# Altium PCB Copy of PCB.PcbDoc (part 1 of 2)
Units mil, origin at the board's own origin, x right, y up, seen from the top; angles counter-clockwise.
Board outline 6000 x 4000 mil, 4 copper layers (Top Layer, Power, GND, Bottom Layer), stack 23.756 mil thick; 200 components, 157 nets, 775 pads, 9 vias.
Unrouted connection lines stored in the file: 537.
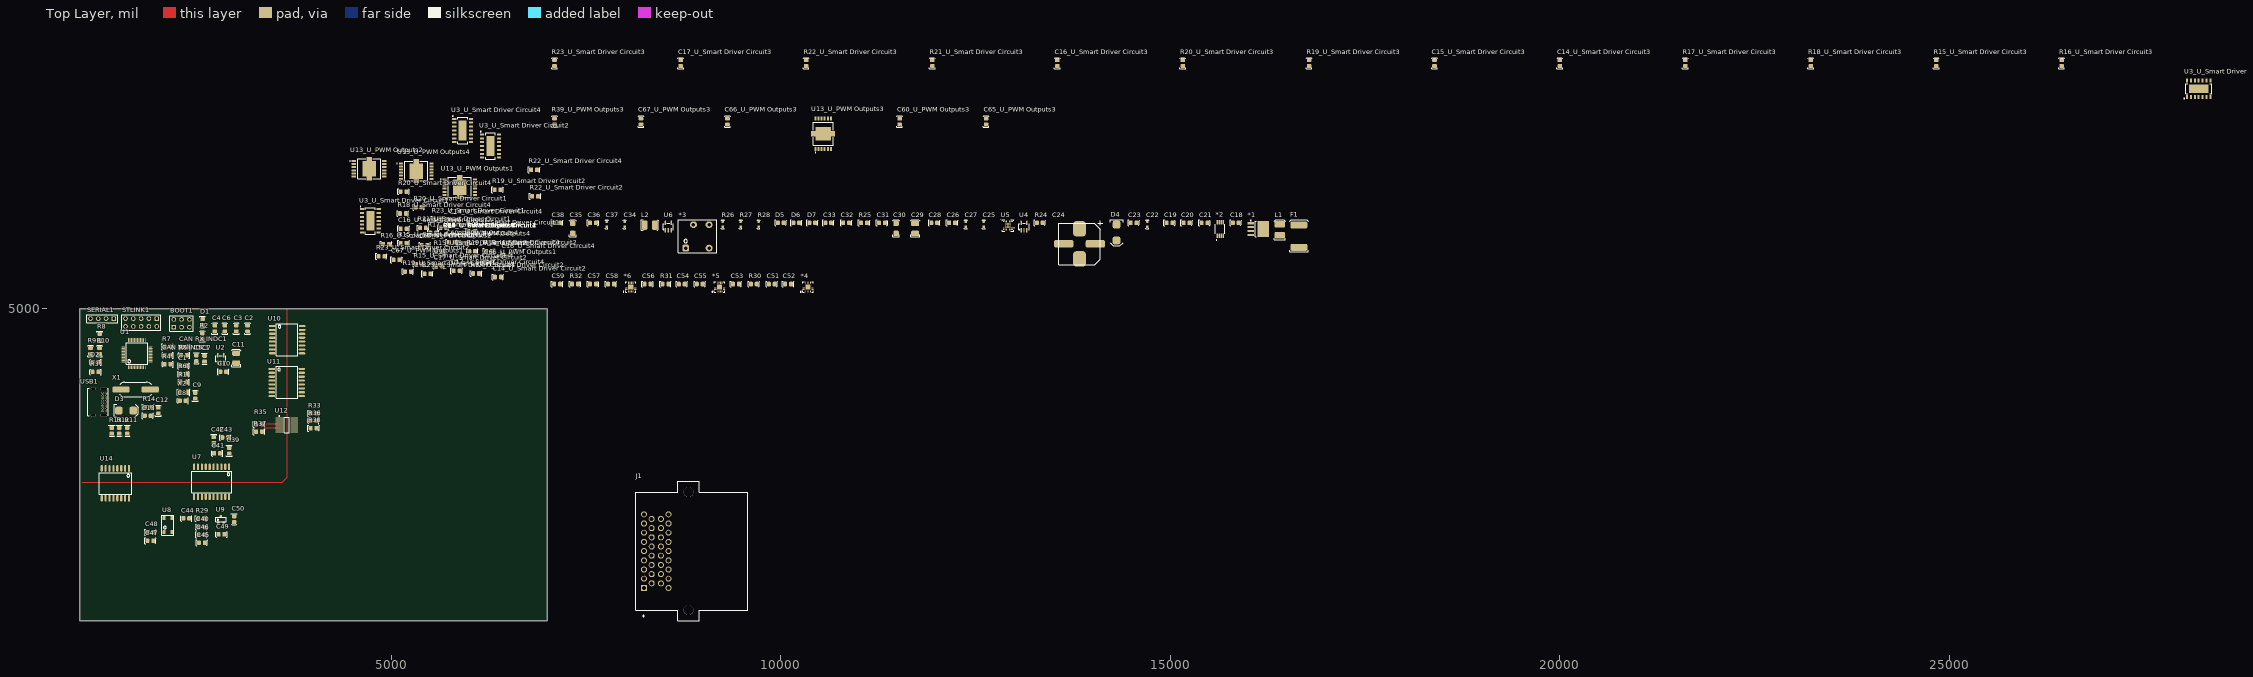
[diagram p0: Top Layer view]
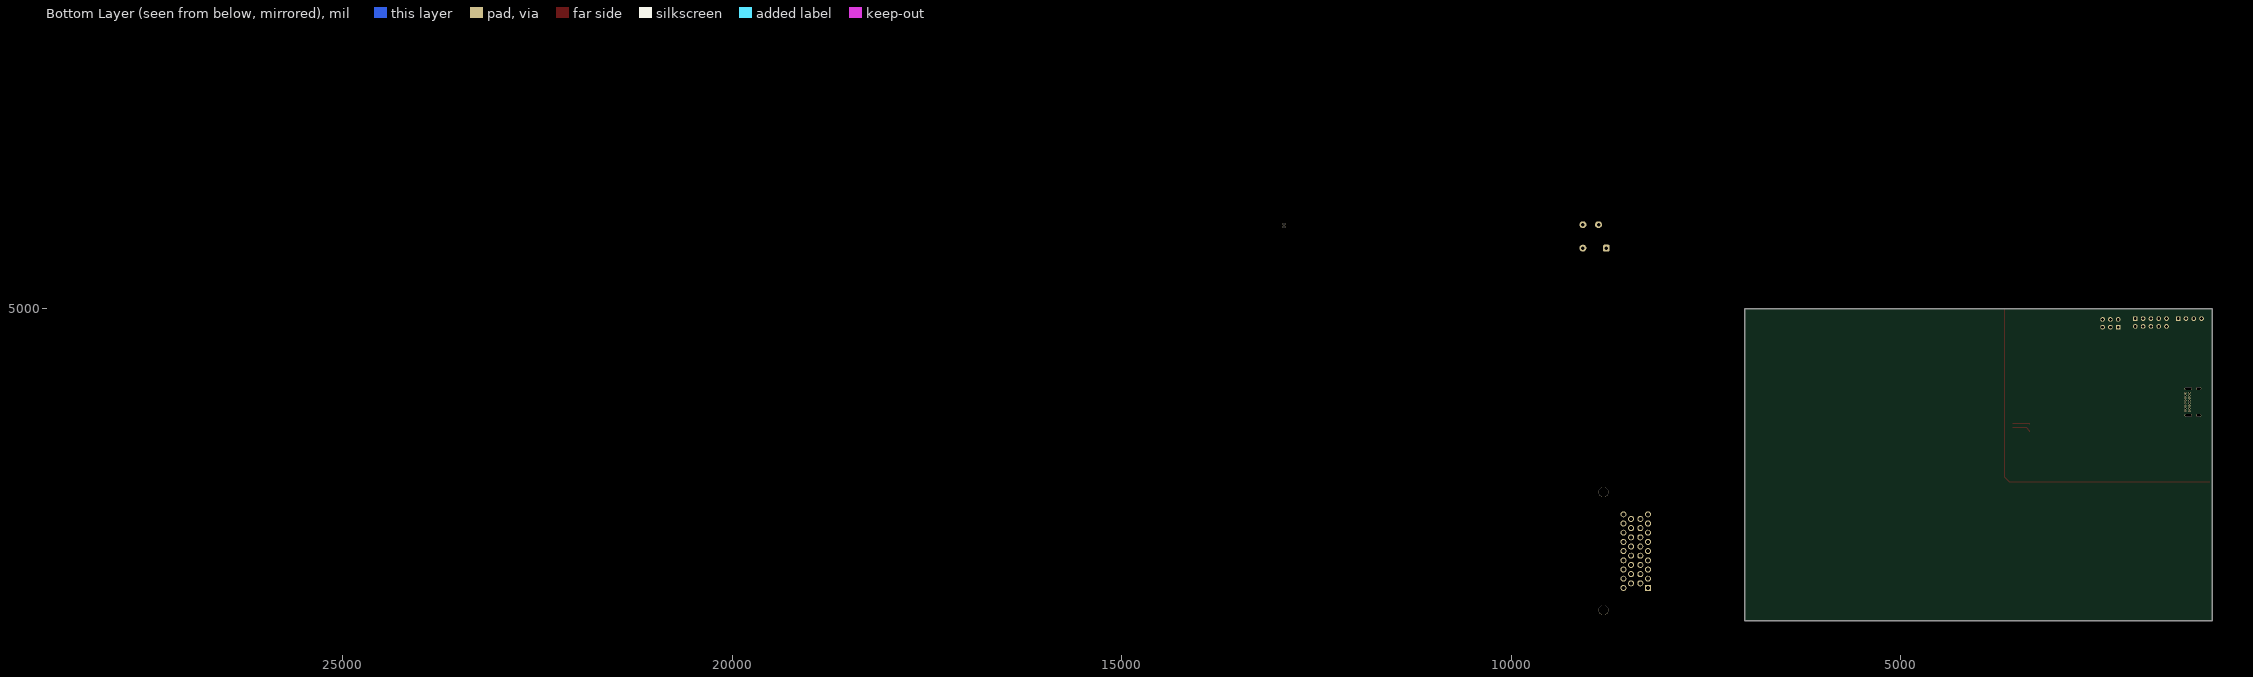
[diagram p1: Bottom Layer view, seen from below]
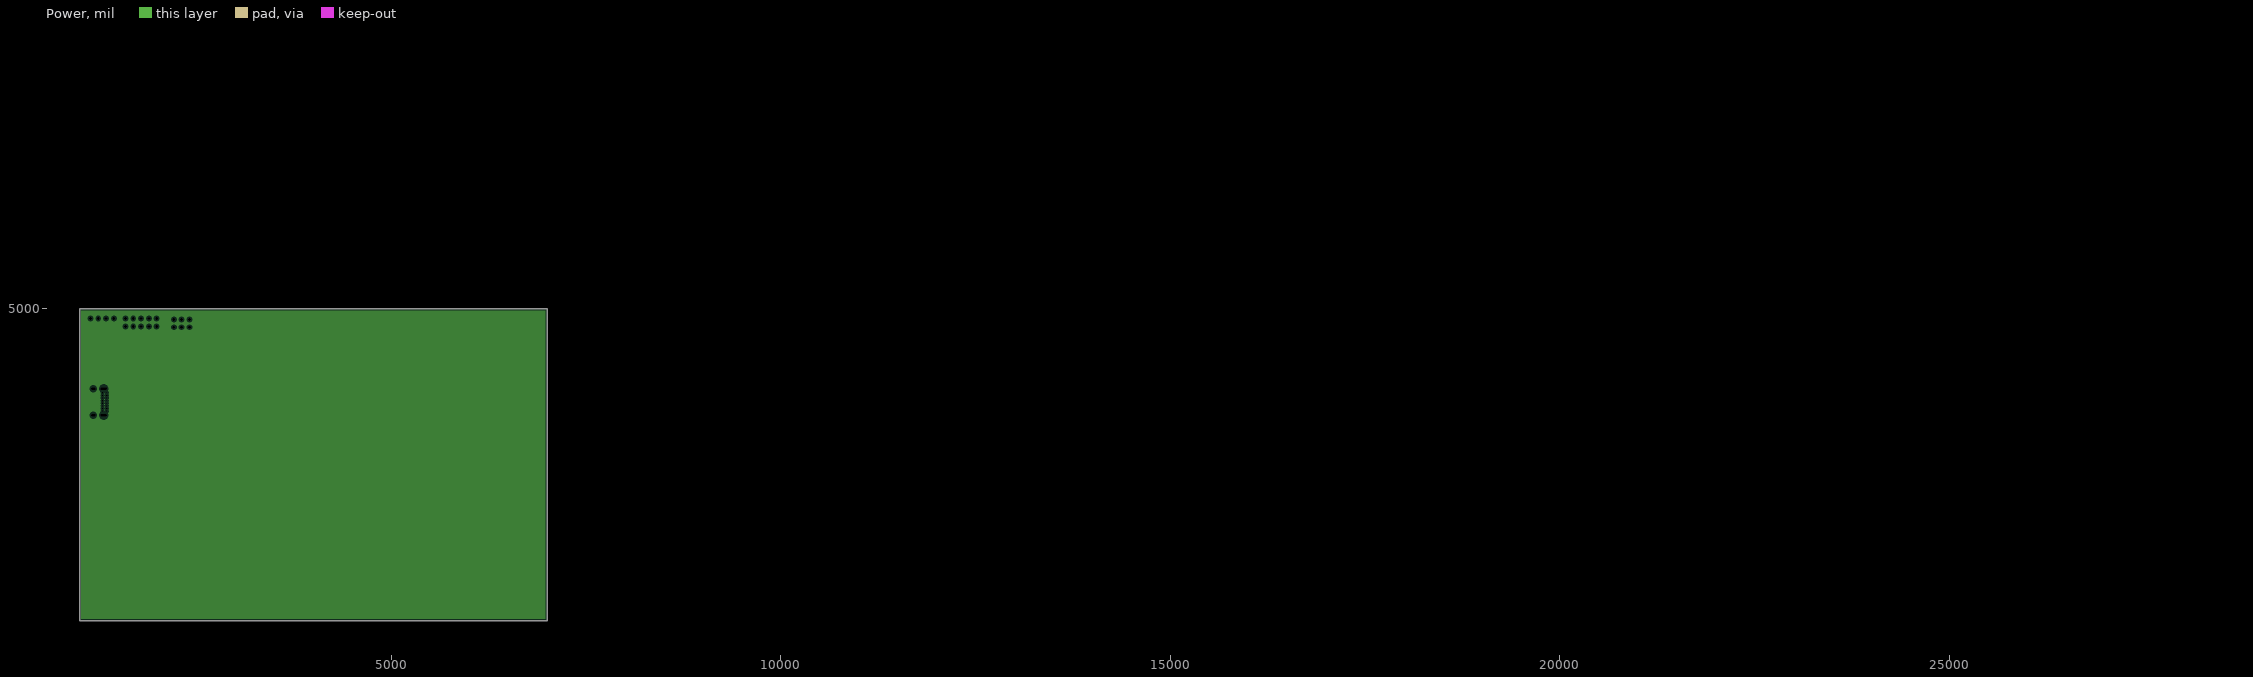
[diagram p2: Power, clearances drawn from the general rule]
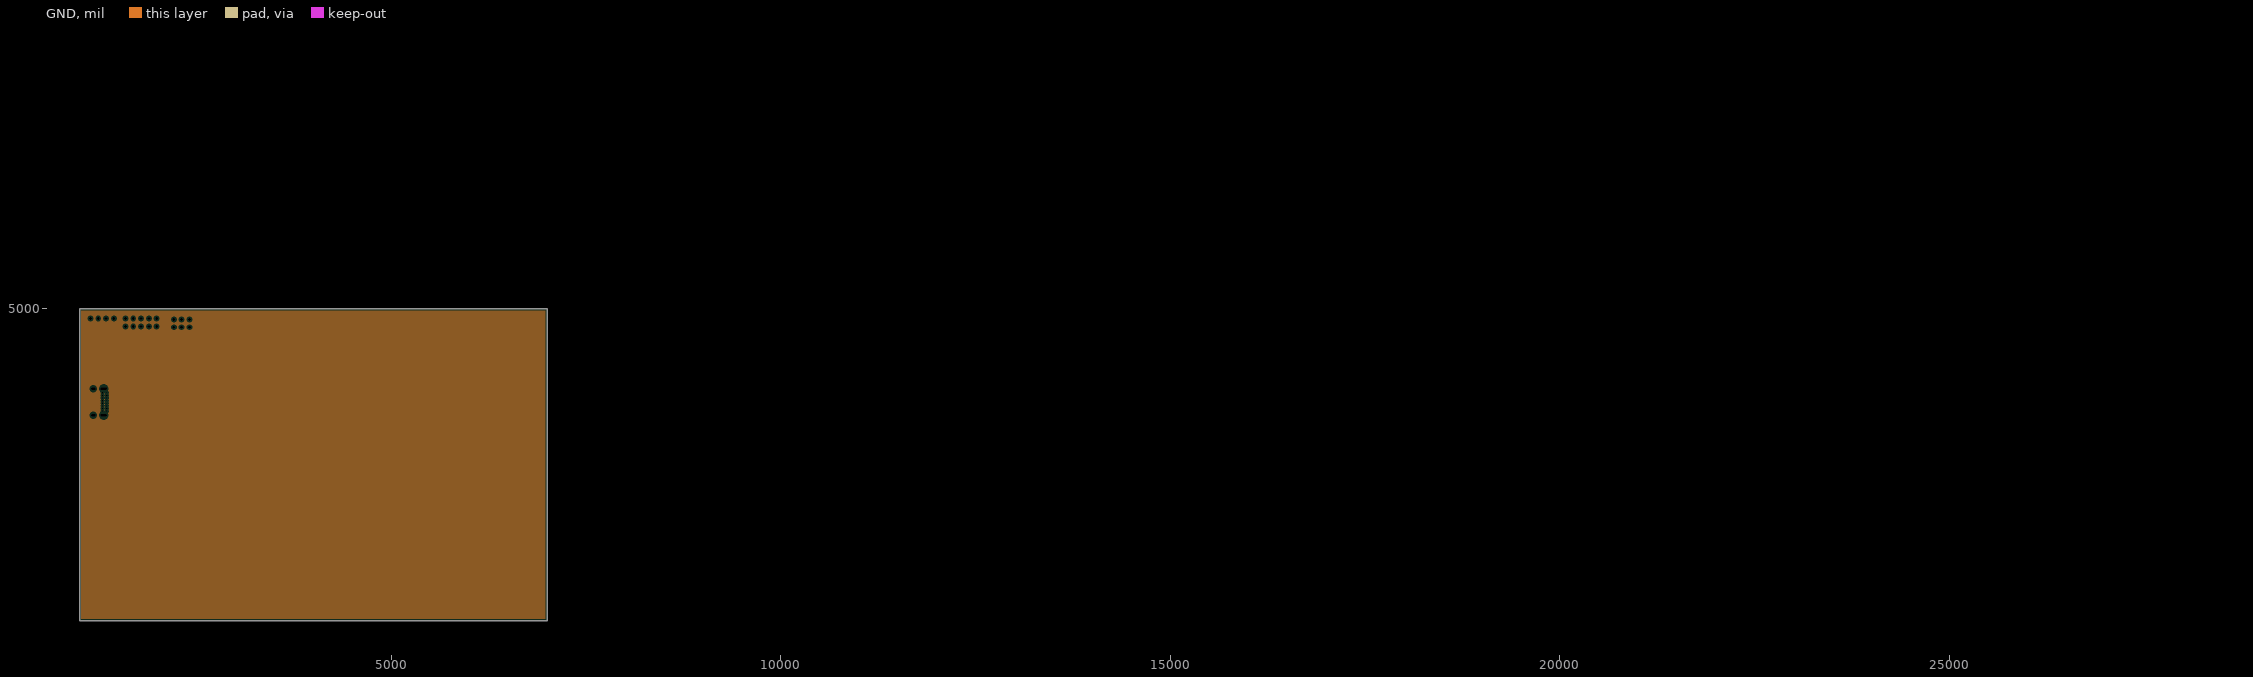
[diagram p3: GND, clearances drawn from the general rule]

## Layer stack, top to bottom
Top Solder: solder mask 0.4, Solder Resist, Dk 3.5
Top Layer: signal copper 1.4
Dielectric 2: prepreg 2.8, PP-006, Dk 4.1
Power: plane copper 1.378
Dielectric 1: dielectric 12.6, FR-4, Dk 4.8
GND: plane copper 1.378
Dielectric 3: prepreg 2.8, PP-006, Dk 4.1
Bottom Layer: signal copper 1.4
Bottom Solder: solder mask 0.4, Solder Resist, Dk 3.5

## Board outline
1000,1000 7000,1000 7000,5000 1000,5000

## Design rules (kind name [scope] priority, off if disabled: settings)
Clearance [All] p1: gap=10 ignorepadtopadclearanceinfootprint=FALSE except(0: Arc-Hole Track-Hole SMDPad-Hole THPad-Hole Via-Hole Fill-Hole Poly-Hole Region-Hole Text-Hole)
PlaneClearance [All] p1: clearance=20
PlaneConnect [All] p1: planeconnectstyle=Relief reliefexpansion=20 reliefentries=4 reliefconductorwidth=10 reliefairgap=10
PolygonConnect [All] p1: connectstyle=Relief reliefconductorwidth=10 reliefentries=4 polygonreliefangle="90 Angle" airgapwidth=10
RoutingVias [All] p1: holewidth=28 width=50 viastyle="Through Hole" minholewidth=28 minwidth=50 maxholewidth=28 maxwidth=50
SolderMaskExpansion [All] p1: expansion=4 istentingtop=FALSE
Width [All] p1: maxlimit=10 minlimit=10 preferedwidth=10
28 further rules are at their usual default settings.

## Classes and differential pairs
channel class "Smart Driver Circuit": "U_Smart Driver Circuit1" "U_Smart Driver Circuit2" "U_Smart Driver Circuit3" "U_Smart Driver Circuit4"
channel class "PWM Outputs": "U_PWM Outputs1" "U_PWM Outputs2" "U_PWM Outputs3" "U_PWM Outputs4"
component class "U_Smart Driver Circuit4": "C14_U_Smart Driver Circuit4" "C15_U_Smart Driver Circuit4" "C16_U_Smart Driver Circuit4" "C17_U_Smart Driver Circuit4" "R15_U_Smart Driver Circuit4" "R16_U_Smart Driver Circuit4" "R17_U_Smart Driver Circuit4" "R18_U_Smart Driver Circuit4" "R19_U_Smart Driver Circuit4" "R20_U_Smart Driver Circuit4" "R21_U_Smart Driver Circuit4" "R22_U_Smart Driver Circuit4" "R23_U_Smart Driver Circuit4" "U3_U_Smart Driver Circuit4"
component class "U_Smart Driver Circuit3": "C14_U_Smart Driver Circuit3" "C15_U_Smart Driver Circuit3" "C16_U_Smart Driver Circuit3" "C17_U_Smart Driver Circuit3" "R15_U_Smart Driver Circuit3" "R16_U_Smart Driver Circuit3" "R17_U_Smart Driver Circuit3" "R18_U_Smart Driver Circuit3" "R19_U_Smart Driver Circuit3" "R20_U_Smart Driver Circuit3" "R21_U_Smart Driver Circuit3" "R22_U_Smart Driver Circuit3" "R23_U_Smart Driver Circuit3" "U3_U_Smart Driver Circuit3"
component class "U_Smart Driver Circuit2": "C14_U_Smart Driver Circuit2" "C15_U_Smart Driver Circuit2" "C16_U_Smart Driver Circuit2" "C17_U_Smart Driver Circuit2" "R15_U_Smart Driver Circuit2" "R16_U_Smart Driver Circuit2" "R17_U_Smart Driver Circuit2" "R18_U_Smart Driver Circuit2" "R19_U_Smart Driver Circuit2" "R20_U_Smart Driver Circuit2" "R21_U_Smart Driver Circuit2" "R22_U_Smart Driver Circuit2" "R23_U_Smart Driver Circuit2" "U3_U_Smart Driver Circuit2"
component class "U_Smart Driver Circuit1": "C14_U_Smart Driver Circuit1" "C15_U_Smart Driver Circuit1" "C16_U_Smart Driver Circuit1" "C17_U_Smart Driver Circuit1" "R15_U_Smart Driver Circuit1" "R16_U_Smart Driver Circuit1" "R17_U_Smart Driver Circuit1" "R18_U_Smart Driver Circuit1" "R19_U_Smart Driver Circuit1" "R20_U_Smart Driver Circuit1" "R21_U_Smart Driver Circuit1" "R22_U_Smart Driver Circuit1" "R23_U_Smart Driver Circuit1" "U3_U_Smart Driver Circuit1"
component class "U_PWM Signal Isolation": U14
component class "U_PWM Outputs4": "C60_U_PWM Outputs4" "C65_U_PWM Outputs4" "C66_U_PWM Outputs4" "C67_U_PWM Outputs4" "R39_U_PWM Outputs4" "U13_U_PWM Outputs4"
component class "U_PWM Outputs3": "C60_U_PWM Outputs3" "C65_U_PWM Outputs3" "C66_U_PWM Outputs3" "C67_U_PWM Outputs3" "R39_U_PWM Outputs3" "U13_U_PWM Outputs3"
component class "U_PWM Outputs2": "C60_U_PWM Outputs2" "C65_U_PWM Outputs2" "C66_U_PWM Outputs2" "C67_U_PWM Outputs2" "R39_U_PWM Outputs2" "U13_U_PWM Outputs2"
component class "U_PWM Outputs1": "C60_U_PWM Outputs1" "C65_U_PWM Outputs1" "C66_U_PWM Outputs1" "C67_U_PWM Outputs1" "R39_U_PWM Outputs1" "U13_U_PWM Outputs1"
component class "U_Power Supply": *1 *2 *3 C18 C19 C20 C21 C22 C23 C24 C25 C26 C27 C28 C29 C30 C31 C32 C33 C34 C35 C36 C37 C38 D4 D5 D6 D7 F1 L1 L2 R24 R25 R26 R27 R28 U4 U5 U6
component class "U_Power Outputs": *4 *5 *6 C51 C52 C53 C54 C55 C56 C57 C58 C59 R30 R31 R32
component class U_Microcontroller: BOOT1 C1 C2 C3 C4 C5 C6 C7 C8 C9 C10 C11 C12 C13 "CAN RX INDC1" "CAN TX INDC1" D1 D2 D3 R1 R2 R3 R4 R5 R6 R7 R8 R9 R10 R11 R12 R13 R14 SERIAL1 STLINK1 U1 U2 USB1 X1 X2
component class "U_Digital Isolation": R33 R35 R36 R37 R38 U10 U11 U12
component class U_CAN: C39 C40 C41 C42 C43 C44 C45 C46 C47 C48 C49 C50 R29 U7 U8 U9

## Components (designator, comment, footprint, x,y, rotation, side; value= is the part's Value field where it differs from the comment)
*1 "SQJA88EP-T1_GE3" "PowerPak SO-8" 16130,6025 r0 top
*2 "LM74610QDGKTQ1" SOP65P490X110-8N 15640,6025 r90 top
*3 "NKE0505DC" NKE0505DC 8780,5780 r0 top
*4 "ADS7028IRTER-Symbol-1" QFN50P300X300X80_HS-17N 10350,5280 r0 top
*5 "ADS7028IRTER-Symbol-1" QFN50P300X300X80_HS-17N 9215,5280 r0 top
*6 "ADS7028IRTER" QFN50P300X300X80_HS-17N 8075,5280 r0 top
BOOT1 "" "TH 2.54mm Header 2x3" 2210,4765 r0 top
C1 "100nF" 0805 2335,4270 r0 top
C2 "1µF" 0805 3155,4750 r90 top
C3 "100nF" 0805 3010,4750 r90 top
C4 "100nF" 0805 2735,4750 r90 top
C5 "100nF" 0805 2500,4365 r270 top
C6 "100nF" 0805 2865,4750 r90 top
C7 "1µF" 0805 2605,4360 r270 top
C8 "22pF" 0805 2325,3820 r180 top
C9 "22pF" 0805 2485,3885 r90 top
C10 "1µF" 0805 2845,4195 r0 top
C11 "22uF" 1210 3010,4415 r90 top
C12 "22pF" 0805 2010,3695 r90 top
C13 "22pF" 0805 1875,3630 r0 top
"C14_U_Smart Driver Circuit1" "100pF" 0805 5669.5,6044.5 r0 top (schematic designator C14)
"C14_U_Smart Driver Circuit2" "100pF" 0805 6370,5410 r0 top (schematic designator C14)
"C14_U_Smart Driver Circuit3" "100pF" 0805 20000,8155 r90 top (schematic designator C14)
"C14_U_Smart Driver Circuit4" "100pF" 0805 5810,6140 r0 top (schematic designator C14)
"C15_U_Smart Driver Circuit1" "100pF" 0805 5669.5,6044.5 r0 top (schematic designator C15)
"C15_U_Smart Driver Circuit2" "100pF" 0805 5669.5,6044.5 r0 top (schematic designator C15)
"C15_U_Smart Driver Circuit3" "100pF" 0805 18390,8155 r90 top (schematic designator C15)
"C15_U_Smart Driver Circuit4" "100pF" 0805 5669.5,6044.5 r0 top (schematic designator C15)
"C16_U_Smart Driver Circuit1" "10nF" 0805 5669.5,6044.5 r0 top (schematic designator C16)
"C16_U_Smart Driver Circuit2" "10nF" 0805 5160,6030 r0 top (schematic designator C16)
"C16_U_Smart Driver Circuit3" "10nF" 0805 13550,8155 r90 top (schematic designator C16)
"C16_U_Smart Driver Circuit4" "10nF" 0805 6485,5695 r0 top (schematic designator C16)
"C17_U_Smart Driver Circuit1" "10nF" 0805 5669.5,6044.5 r0 top (schematic designator C17)
"C17_U_Smart Driver Circuit2" "10nF" 0805 5612.87,5551.03 r0 top (schematic designator C17)
"C17_U_Smart Driver Circuit3" "10nF" 0805 8715,8155 r90 top (schematic designator C17)
"C17_U_Smart Driver Circuit4" "10nF" 0805 5840,5490 r0 top (schematic designator C17)
C18 "2.2uF" 0805 15840,6105 r0 top
C19 "10uF" 0805 14990,6105 r0 top
C20 "10uF" 0805 15210,6105 r0 top
C21 "100nF" 0805 15440,6105 r0 top
C22 "100nF" 0603 14705,6055 r90 top
C23 "100pF" 0805 14530,6105 r0 top
C24 "220uF" "Vishay Radial 1213" 13835,5835 r0 top
C25 "100nF" 0603 12605,6055 r90 top
C26 "1µF" 0805 12200,6105 r0 top
C27 "100nF" 0603 12375,6055 r90 top
C28 "1µF" 0805 11970,6105 r0 top
C29 "22uF" 1210 11725,6080 r90 top
C30 "4.7uF" "1206 CAP" 11480,6080 r90 top
C31 "100nF" 0805 11300,6105 r0 top
C32 "2.2uF" 0805 10840,6105 r0 top
C33 "6.8nF" 0805 10610,6105 r0 top
C34 "100nF" 0603 7995,6055 r90 top
C35 "4.7uF" "1206 CAP" 7330,6080 r90 top
C36 "1µF" 0805 7590,6105 r0 top
C37 "100nF" 0603 7765,6055 r90 top
C38 "1µF" 0805 7130,6105 r0 top
C39 "100nF" 0805 2920,3180 r90 top
C40 "100nF" 0805 2565,2200 r0 top
C41 "10nF" 0805 2765,3145 r180 top
C42 "100nF" 0805 2725,3315 r270 top
C43 "10nF" 0805 2870,3350 r0 top
C44 "100nF" 0805 2370,2310 r180 top
C45 "10nF" 0805 2570,2000 r0 top
C46 "10nF" 0805 2565,2100 r0 top
C47 "100pF" 0805 1910,2025 r0 top
C48 "100pF" 0805 1910,2135 r0 top
C49 "100pF" 0805 2820,2105 r180 top
C50 "100pF" 0805 2985,2300 r270 top
C51 "1µF" 0805 9885,5320 r0 top
C52 "1µF" 0805 10095,5320 r0 top
C53 "1µF" 0805 9425,5320 r0 top
C54 "1µF" 0805 8730,5320 r0 top
C55 "1µF" 0805 8960,5320 r0 top
C56 "1µF" 0805 8290,5320 r0 top
C57 "1µF" 0805 7590,5320 r0 top
C58 "1µF" 0805 7820,5320 r0 top
C59 "1µF" 0805 7130,5320 r0 top
"C60_U_PWM Outputs1" "10uF" 0805 5669.5,6044.5 r0 top (schematic designator C60)
"C60_U_PWM Outputs2" "10uF" 0805 5430,5820 r0 top (schematic designator C60)
"C60_U_PWM Outputs3" "10uF" 0805 11525,7405 r90 top (schematic designator C60)
"C60_U_PWM Outputs4" "10uF" 0805 5775,5855 r0 top (schematic designator C60)
"C65_U_PWM Outputs1" "100nF" 0805 5669.5,6044.5 r0 top (schematic designator C65)
"C65_U_PWM Outputs2" "100nF" 0805 5669.5,6044.5 r0 top (schematic designator C65)
"C65_U_PWM Outputs3" "100nF" 0805 12635,7405 r90 top (schematic designator C65)
"C65_U_PWM Outputs4" "100nF" 0805 5669.5,6044.5 r0 top (schematic designator C65)
"C66_U_PWM Outputs1" "22nF" 0805 6260,5610 r0 top (schematic designator C66)
"C66_U_PWM Outputs2" "22nF" 0805 5669.5,6044.5 r0 top (schematic designator C66)
"C66_U_PWM Outputs3" "22nF" 0805 9315,7405 r90 top (schematic designator C66)
"C66_U_PWM Outputs4" "22nF" 0805 5669.5,6044.5 r0 top (schematic designator C66)
"C67_U_PWM Outputs1" "22nF" 0805 5068.07,5631.03 r0 top (schematic designator C67)
"C67_U_PWM Outputs2" "22nF" 0805 5669.5,6044.5 r0 top (schematic designator C67)
"C67_U_PWM Outputs3" "22nF" 0805 8205,7405 r90 top (schematic designator C67)
"C67_U_PWM Outputs4" "22nF" 0805 5669.5,6044.5 r0 top (schematic designator C67)
"CAN RX INDC1" "" "0805 LED" 2345,4510 r180 top
"CAN TX INDC1" "" "0805 LED" 2130,4405 r180 top
D1 "" "0805 LED" 2580,4830 r270 top
D2 "" "0805 LED" 1205,4315 r180 top
D3 "SD560BTR" "SMB Diode" 1515,3695 r0 top
D4 "SM6T36CAY" "ST SMB DIODE" 14310,5980 r90 top
D5 "Red" "0805 LED" 10000,6105 r0 top
D6 "Red" "0805 LED" 10200,6105 r0 top
D7 "Red" "0805 LED" 10405,6105 r0 top
F1 "0ZCF0100AF2A" 2920 16650,5790 r90 top
J1 "" 6437288-1 8402.52,1890.67 r90 top
L1 "12uH" 1812 16405,6015 r90 top
L2 "47 uH" 82473C 8365,6075 r0 top
R1 "10k" 0805 2335,4060 r180 top
R2 "" 0805 2575,4650 r90 top value=510R
R3 "" 0805 1205,4190 r180 top value=510R
R4 "" 0805 2130,4290 r180 top value=680R
R5 "" 0805 2340,4405 r180 top value=680R
R6 "NTCS0805E3103FLT" 0805 2335,4165 r0 top value="10K (NTC) (B25/85 3430K)"
R7 "" 0805 2130,4515 r0 top value=10k
R8 "10k" 0805 1260,4640 r270 top
R9 "1.5k" 0805 1140,4460 r90 top
R10 "20k" 0805 1255,4460 r90 top
R11 "20k" 0805 1615,3435 r270 top
R12 "5.1k" 0805 1510,3435 r270 top
R13 "5.1k" 0805 1415,3435 r270 top
R14 "10M" 0805 1880,3740 r0 top
"R15_U_Smart Driver Circuit1" "4.7k" 0805 5355,5575 r0 top (schematic designator R15)
"R15_U_Smart Driver Circuit2" "4.7k" 0805 5615,5735 r0 top (schematic designator R15)
"R15_U_Smart Driver Circuit3" "4.7k" 0805 24830,8155 r90 top (schematic designator R15)
"R15_U_Smart Driver Circuit4" "4.7k" 0805 5160,5845 r0 top (schematic designator R15)
"R16_U_Smart Driver Circuit1" "4.7k" 0805 5669.5,6044.5 r0 top (schematic designator R16)
"R16_U_Smart Driver Circuit2" "4.7k" 0805 4935,5830 r0 top (schematic designator R16)
"R16_U_Smart Driver Circuit3" "4.7k" 0805 26440,8155 r90 top (schematic designator R16)
"R16_U_Smart Driver Circuit4" "4.7k" 0805 5669.5,6044.5 r0 top (schematic designator R16)
"R17_U_Smart Driver Circuit1" "1.8k" 0805 5669.5,6044.5 r0 top (schematic designator R17)
"R17_U_Smart Driver Circuit2" "1.8k" 0805 6090,5455 r0 top (schematic designator R17)
"R17_U_Smart Driver Circuit3" "1.8k" 0805 21610,8155 r90 top (schematic designator R17)
"R17_U_Smart Driver Circuit4" "1.8k" 0805 5540,5975 r0 top (schematic designator R17)
"R18_U_Smart Driver Circuit1" "1.8k" 0805 5669.5,6044.5 r0 top (schematic designator R18)
"R18_U_Smart Driver Circuit2" "1.8k" 0805 6255,5740 r0 top (schematic designator R18)
"R18_U_Smart Driver Circuit3" "1.8k" 0805 23220,8155 r90 top (schematic designator R18)
"R18_U_Smart Driver Circuit4" "1.8k" 0805 5150,6225 r0 top (schematic designator R18)
"R19_U_Smart Driver Circuit1" "10k" 0805 5215,5480 r0 top (schematic designator R19)
"R19_U_Smart Driver Circuit2" "10k" 0805 6365,6530 r0 top (schematic designator R19)
"R19_U_Smart Driver Circuit3" "10k" 0805 16780,8155 r90 top (schematic designator R19)
"R19_U_Smart Driver Circuit4" "10k" 0805 6040,5740 r0 top (schematic designator R19)
"R20_U_Smart Driver Circuit1" "10k" 0805 5355,6305 r0 top (schematic designator R20)
"R20_U_Smart Driver Circuit2" "10k" 0805 5669.5,6044.5 r0 top (schematic designator R20)
"R20_U_Smart Driver Circuit3" "10k" 0805 15160,8155 r90 top (schematic designator R20)
"R20_U_Smart Driver Circuit4" "10k" 0805 5157.87,6506.03 r0 top (schematic designator R20)
"R21_U_Smart Driver Circuit1" "47k" 0805 5410,6040 r0 top (schematic designator R21)
"R21_U_Smart Driver Circuit2" "47k" 0805 5669.5,6044.5 r0 top (schematic designator R21)
"R21_U_Smart Driver Circuit3" "47k" 0805 11945,8155 r90 top (schematic designator R21)
"R21_U_Smart Driver Circuit4" "47k" 0805 5669.5,6044.5 r0 top (schematic designator R21)
"R22_U_Smart Driver Circuit1" "10k" 0805 6030,5995 r0 top (schematic designator R22)
"R22_U_Smart Driver Circuit2" "10k" 0805 6847.87,6446.03 r0 top (schematic designator R22)
"R22_U_Smart Driver Circuit3" "10k" 0805 10325,8155 r90 top (schematic designator R22)
"R22_U_Smart Driver Circuit4" "10k" 0805 6835,6785 r0 top (schematic designator R22)
"R23_U_Smart Driver Circuit1" "47k" 0805 5590,6155 r0 top (schematic designator R23)
"R23_U_Smart Driver Circuit2" "47k" 0805 4875,5675 r0 top (schematic designator R23)
"R23_U_Smart Driver Circuit3" "47k" 0805 7095,8155 r90 top (schematic designator R23)
"R23_U_Smart Driver Circuit4" "47k" 0805 5465,5450 r0 top (schematic designator R23)
R24 "0R" 0805 13325,6105 r0 top
R25 "15k" 0805 11070,6105 r0 top
R26 "20K" 0603 9255,6055 r90 top
R27 "2K" 0603 9485,6055 r90 top
R28 "2K" 0603 9715,6055 r90 top
R29 "0R" 0805 2560,2310 r0 top
R30 "100k" 0805 9655,5320 r0 top
R31 "100k" 0805 8520,5320 r0 top
R32 "100k" 0805 7360,5320 r0 top
R33 "20R" 0805 4005,3660 r0 top
R35 "20R" 0805 3305,3520 r0 top
R36 "20R" 0805 4000,3565 r180 top
R37 "20R" 0805 3305,3425 r0 top
R38 "20R" 0805 4005,3470 r0 top
"R39_U_PWM Outputs1" "100k" 0805 5669.5,6044.5 r0 top (schematic designator R39)
"R39_U_PWM Outputs2" "100k" 0805 5669.5,6044.5 r0 top (schematic designator R39)
"R39_U_PWM Outputs3" "100k" 0805 7095,7405 r90 top (schematic designator R39)
"R39_U_PWM Outputs4" "100k" 0805 5930,5845 r0 top (schematic designator R39)
SERIAL1 "" "TH 2.54mm Header 1x4" 1440,4875 r180 top
STLINK1 "" "TH 2.54mm Header 2x5" 1990,4875 r180 top
U1 "" "STM 48-LQFP" 1735,4425 r0 top
U2 "" "RICHTEK SOT-23-5" 2815,4350 r0 top
"U3_U_Smart Driver Circuit1" "BTF6070-2ERV" SOIC127P600X115-15N-V1 4732.48,6130 r0 top (schematic designator U3)
"U3_U_Smart Driver Circuit2" "BTF6070-2ERV" SOIC127P600X115-15N-V1 6275,7090 r0 top (schematic designator U3)
"U3_U_Smart Driver Circuit3" "BTF6070-2ERV" SOIC127P600X115-15N-V1 28200,7825 r90 top (schematic designator U3)
"U3_U_Smart Driver Circuit4" "BTF6070-2ERV" SOIC127P600X115-15N-V1 5917.48,7290 r0 top (schematic designator U3)
U4 "TLV70033-Q1" "TI SOT-23-5" 13085,6010 r0 top
U5 "MAXM17631AME+T" MAXM17631AME+T 12915,6070 r0 top
U6 "TLV70033-Q1" "TI SOT-23-5" 8520,6010 r0 top
U7 "" "AD SOIC-W 20" 2695,2780 r180 top
U8 "B82787C0104H002" "TDK 4-PC Pad" 2085,2135 r90 top value="100µH @ 100kHz"
U9 "NUP2105L" "ON SOT-23" 2815,2295 r0 top
U10 "ADuM1400" "AD 16-SOIC" 3665,4555 r270 top
U11 "ADuM1400" "AD 16-SOIC" 3660,4005 r270 top
U12 "ADI-ADUM7441-RQ-16" ADI-RQ-16_M 3660,3510 r0 top
"U13_U_PWM Outputs1" "IFX9201SGAUMA1" CONV_IFX9201SGAUMA1 5880,6561.97 r0 top (schematic designator U13)
"U13_U_PWM Outputs2" "IFX9201SGAUMA1" CONV_IFX9201SGAUMA1 4715.87,6799.06 r0 top (schematic designator U13)
"U13_U_PWM Outputs3" "IFX9201SGAUMA1" CONV_IFX9201SGAUMA1 10545,7250 r90 top (schematic designator U13)
"U13_U_PWM Outputs4" "IFX9201SGAUMA1" CONV_IFX9201SGAUMA1 5320.87,6768.43 r0 top (schematic designator U13)
U14 "ADuM1400" "AD 16-SOIC" 1410,2760 r180 top
USB1 "" USB4085-GF-A 1190,3810 r270 top
X1 "8MHz" "Abracon HC-49/US" 1720,3965 r0 top
X2 "" "EPSON 2-SMD" 2335,3930 r0 top value=32.768kHz

## Footprints (in the part's own frame and the unit in brackets; to place one, negate y for a bottom-side part, rotate by r counter-clockwise, add the part's x,y. Pads: shape width x height; smd on the part's side, far side on the other; paste and mask are expansions set on the pad)
0603 [mm]
  rrect50% 0.9x0.8 smd: 1(0,0) 2(1.7,0)
  silkscreen extent -0.6,-0.5 2.3,0.5, body extent 0.05,-0.42 1.65,0.43, height 0.6
0805 [mil]
  rrect50% 51.18x59.06 smd: 1(-37.87,-1.03) 2(36.93,-1.03)
  silkscreen extent -73,-37 71,37, body extent -39,-26 39,26, height 29
"0805 LED" [mil]
  rrect50% 51.18x59.06 smd: A(-37.87,-1.03) K(36.93,-1.03)
  silkscreen extent -73,-37 71,37, body extent -43,-25 36,25, height 39
"1206 CAP" [mm]
  rrect50% 1.8x1.8 smd: 1(-2.81,0) 2(0.44,0)
  silkscreen extent -3.99,-1.09 1.62,1.09, body extent -2.75,-0.79 0.45,0.81, height 1.61
1210 [mm]
  rrect50% 1.8x2.6 smd: 1(-2.81,0) 2(0.44,0)
  silkscreen extent -3.99,-1.46 1.62,1.46, body extent -2.77,-1.26 0.43,1.24, height 2.51
1812 [mm]
  rrect50% 2.2x3.5 smd: 1(-1.8,0) 2(1.8,0)
  silkscreen extent -3.25,-1.75 3.25,1.75, body extent -2.25,-1.6 2.25,1.6, height 2.5
2920 [mm]
  rrect50% 2.3x5.6 smd: 1(0,0) 2(7.3,0)
  silkscreen extent -1.4,-3 9,3, body extent -0.34,-2.81 7.64,2.81, height 1.14
82473C [mm]
  rrect50% 1.8x3.05 smd: 1(-2.81,0) 2(0.44,0)
  silkscreen extent -3.99,-1.68 1.62,1.73, body extent -2.81,-1.25 0.45,1.26, height 2
6437288-1 [mm]
  rect 1.95x1.95 hole 1.3: 1(-12,4)
  round 1.95 hole 1.3: 2(-9,4) 3(-6,4) 4(-3,4) 5(0,4) 6(3,4) 7(6,4) 8(9,4) 9(12,4) 10(-10.5,1.5) 11(-7.5,1.5) 12(-4.5,1.5) 13(-1.5,1.5) 14(1.5,1.5) 15(4.5,1.5) 16(7.5,1.5) 17(10.5,1.5) 18(-10.5,-1.5) 19(-7.5,-1.5) 20(-4.5,-1.5) 21(-1.5,-1.5) 22(1.5,-1.5) 23(4.5,-1.5) 24(7.5,-1.5) 25(10.5,-1.5) 26(-12,-4) 27(-9,-4) 28(-6,-4) 29(-3,-4) 30(0,-4) 31(3,-4) 32(6,-4) 33(9,-4) 34(12,-4)
  round 3.3 hole 3.3 unplated: ""(-19.25,-10.5) ""(19.25,-10.5)
  silkscreen extent -22.75,-29.75 22.75,6.75
"Abracon HC-49/US" [mm]
  rrect50% 5.6x2.1 smd: 1(-4.75,0) 2(4.75,0)
  silkscreen extent -5.27,-2.35 5.25,2.35, body extent -6.35,-2.35 6.35,2.35, height 4.06
"AD 16-SOIC" [mil]
  rrect50% 28x85 smd: 1(-225,-192.02)
  oval 28x85 smd: 2(-175,-192.02) 3(-125,-192.02) 4(-75,-192.02) 5(-25,-192.02) 6(25,-192.02) 7(75,-192.02) 8(125,-192.02) 9(125,190) 10(75,189.96) 11(25,189.96) 12(-25,189.96) 13(-75,189.96) 14(-125,189.96) 15(-175,191.98) 16(-225,191.98)
  silkscreen extent -257,-138 155,138, body extent -256,-209 156,209, height 104
"AD SOIC-W 20" [mil]
  rrect50% 28x85 smd: 1(-225,-192.02)
  oval 28x85 smd: 2(-175,-192.02) 3(-125,-192.02) 4(-75,-192.02) 5(-25,-192.02) 6(25,-192.02) 7(75,-192.02) 8(125,-192.02) 9(175,-192.02) 10(225,-192.02) 11(225,192.02) 12(175,191.98) 13(125,191.98) 14(75,191.98) 15(25,191.98) 16(-25,191.98) 17(-75,191.98) 18(-125,191.98) 19(-175,191.98) 20(-225,191.98)
  silkscreen extent -257,-138 256,138, body extent -260,-210 260,210, height 105
ADI-RQ-16_M [mm] "SOP, 16-Leads, Body 4.9x3.9mm, Pitch 0.64mm, IPC Low Density"
  oval 2.55x0.35 smd: 1(-2.45,2.24) 2(-2.45,1.6) 3(-2.45,0.96) 4(-2.45,0.32) 5(-2.45,-0.32) 6(-2.45,-0.96) 7(-2.45,-1.6) 8(-2.45,-2.24) 9(2.45,-2.24) 10(2.45,-1.6) 11(2.45,-0.96) 12(2.45,-0.32) 13(2.45,0.32) 14(2.45,0.96) 15(2.45,1.6) 16(2.45,2.24)
  silkscreen extent -2.57,-2.5 0.77,3.09, body extent -2,-2.5 2,2.5, height 1.75
CONV_IFX9201SGAUMA1 [mm]
  rect 1.35x0.65 smd: 1(-4.975,2.5) 2(-4.975,1.5) 3(-4.975,0.5) 4(-4.975,-0.5) 5(-4.975,-1.5) 6(-4.975,-2.5) 7(4.975,-2.5) 8(4.975,-1.5) 9(4.975,-0.5) 10(4.975,0.5) 11(4.975,1.5) 12(4.975,2.5)
  rect 4.4x5.1 smd paste-4: 13(0,0)
  rect 1.8x1.35 smd paste-2: 13.1(0,3.225) 13.2(0,-3.225)
  silkscreen extent -6.3,-3.2 3.75,3.2, body extent -5.15,-3.9 5.15,3.9, height 2.6
"EPSON 2-SMD" [mm]
  rrect50% 1x1.8 smd: 1(-1.25,0) 2(1.25,0)
  silkscreen extent -2,-1.2 2,1.2, body extent -1.5,-1 1.5,1, height 1
MAXM17631AME+T [mil]
  rrect25% 24x10 smd paste-5 mask+0: 1(-53.15,49.21) 2(-53.15,29.53) 3(-53.15,9.84) 4(-53.15,-9.84) 5(-53.15,-29.53) 6(-53.15,-49.21) 9(53.15,-49.21) 10(53.15,-29.53) 11(53.15,-9.84) 12(53.15,9.84) 13(53.15,29.53) 14(53.15,49.21)
  rrect25% 20x24 smd paste+0 mask+0: 7(-21.65,-53.15) 8(21.65,-53.15) 15(21.65,53.15) 16(-21.65,53.15)
  rect 63x63 smd paste+0 mask+0: 17(0,0)
  silkscreen extent -75,-75 85,75, body extent -62,-62 62,62, height 71
NKE0505DC [mm] "DC DC CONVERTER 5V 1W"
  rrect50% 2.24x2.24 hole 1.15: 1(0,0)
  round 2.24 hole 1.15: 4(7.62,0) 5(7.62,7.62) 7(2.54,7.62)
  silkscreen extent -2.44,-1.59 10.06,9.21, body extent -1.94,-1.11 9.56,8.71, height 5.42
"ON SOT-23" [mm] "NUP2105L"
  rrect50% 0.8x0.9 smd: 1(-0.95,-1) 2(0.95,-1) 3(0,1)
  silkscreen extent -1.75,-0.65 1.75,0.75, body extent -1.5,-1.27 1.5,1.28, height 1
"PowerPak SO-8" [mm] "TO, 5-Pads, Body 5.34x5.86mm (max), IPC Medium Density"
  rect 2.05x0.7 smd: 1(-2.5,1.905) 2(-2.5,0.635) 3(-2.5,-0.635) 4(-2.5,-1.905)
  rect 3.8x5.1 smd: 5(1.6,0)
  silkscreen extent -2.62,-2.5 -0.7,2.93, body extent -1.55,-2.5 2.92,2.5, height 1.14
QFN50P300X300X80_HS-17N [mm] "QFN, 16-Leads, Body 3.00x3.00mm, Pitch 0.50mm, Thermal Pad 1.68x1.68mm, IPC Medium Density"
  oval 0.8x0.25 smd: 1(-1.45,-0.75) 2(-1.45,-0.25) 3(-1.45,0.25) 4(-1.45,0.75) 9(1.45,0.75) 10(1.45,0.25) 11(1.45,-0.25) 12(1.45,-0.75)
  oval 0.25x0.8 smd: 5(-0.75,1.45) 6(-0.25,1.45) 7(0.25,1.45) 8(0.75,1.45) 13(0.75,-1.45) 14(0.25,-1.45) 15(-0.25,-1.45) 16(-0.75,-1.45)
  rect 1.68x1.68 smd: 17(0,0)
  silkscreen extent -2.47,-1.7 1.7,1.7, body extent -1.55,-1.55 1.55,1.55, height 0.8
"RICHTEK SOT-23-5" [mil]
  rrect50% 19x58 smd: 1(-39.37,-39.37) 2(-1.97,-39.37) 3(35.43,-39.37) 4(35.43,53.63) 5(-39.37,53.63)
  silkscreen extent -69,-31 64,47, body extent -62,-51 58,67, height 57
"SMB Diode" [mm]
  rrect50% 2.5x2.5 smd: A(-0.25,0) K(4.45,0)
  silkscreen extent -1.75,-2.1 6,2.1, body extent -0.69,-1.97 4.9,1.97, height 2.5
SOIC127P600X115-15N-V1 [mm] "SOIC,1.27mm,pitch;14 pin,3.90mm W X 8.65mm L X 1.15mm H body (w/thermal tab)"
  rect 1.34x0.65 smd paste+0 mask+0: 1(-2.73,3.81) 2(-2.73,2.54) 3(-2.73,1.27) 4(-2.73,0) 5(-2.73,-1.27) 6(-2.73,-2.54) 7(-2.73,-3.81) 8(2.73,-3.81) 9(2.73,-2.54) 10(2.73,-1.27) 11(2.73,0) 12(2.73,1.27) 13(2.73,2.54) 14(2.73,3.81)
  rect 2.65x6.4 smd paste-1.325 mask+0: 15(0,0)
  silkscreen extent -3.32,-4.3 1.6,4.81, body extent -3,-4.32 3,4.33, height 1.16
SOP65P490X110-8N [mm]
  rrect25% 1.47x0.48 smd: 1(-2.15,0.975) 2(-2.15,0.325) 3(-2.15,-0.325) 4(-2.15,-0.975) 5(2.15,-0.975) 6(2.15,-0.325) 7(2.15,0.325) 8(2.15,0.975)
  silkscreen extent -3.62,-1.54 1.5,1.54
"ST SMB DIODE" [mm]
  rrect50% 2.5x2.5 smd: A(2.6,0) K(-2.6,0)
  silkscreen extent -4.28,-2.12 4.17,2.08, body extent -2.88,-1.99 2.71,1.95, height 2.5
"STM 48-LQFP" [mm]
  rrect50% 0.3x1.2 smd mask+0.05: 1(-2.75,-4.45) 2(-2.25,-4.45) 3(-1.75,-4.45) 4(-1.25,-4.45) 5(-0.75,-4.45) 6(-0.25,-4.45) 7(0.25,-4.45) 8(0.75,-4.45) 9(1.25,-4.45) 10(1.75,-4.45) 11(2.25,-4.45) 12(2.75,-4.45) 25(2.75,4.45) 26(2.25,4.45) 27(1.75,4.45) 28(1.25,4.45) 29(0.75,4.45) 30(0.25,4.45) 31(-0.25,4.45) 32(-0.75,4.45) 33(-1.25,4.45) 34(-1.75,4.45) 35(-2.25,4.45) 36(-2.75,4.45)
  rrect50% 1.2x0.3 smd mask+0.05: 13(4.45,-2.75) 14(4.45,-2.25) 15(4.45,-1.75) 16(4.45,-1.25) 17(4.45,-0.75) 18(4.45,-0.25) 19(4.45,0.25) 20(4.45,0.75) 21(4.45,1.25) 22(4.45,1.75) 23(4.45,2.25) 24(4.45,2.75) 37(-4.45,2.75) 38(-4.45,2.25) 39(-4.45,1.75) 40(-4.45,1.25) 41(-4.45,0.75) 42(-4.45,0.25) 43(-4.45,-0.25) 44(-4.45,-0.75) 45(-4.45,-1.25) 46(-4.45,-1.75) 47(-4.45,-2.25) 48(-4.45,-2.75)
  silkscreen extent -3.5,-3.5 3.5,3.5, body extent -4.6,-4.6 4.6,4.6, height 1.6
"TDK 4-PC Pad" [mm]
  rrect50% 1.35x0.9 smd: 1(0,0) 2(0,-2.5) 3(4.55,-2.5) 4(4.55,0)
  silkscreen extent -1,-3.2 5.5,0.7, body extent -0.02,-2.82 4.48,0.38, height 2.8
"TH 2.54mm Header 1x4" [mm]
  rect 1.5x1.5 hole 0.9: 1(0,0)
  round 1.5 hole 0.9: 2(2.54,0) 3(5.08,0) 4(7.62,0)
  silkscreen extent -1.27,-1.27 8.89,1.27, body extent -1.27,-1.27 8.89,1.27, height 9.5
"TH 2.54mm Header 2x3" [mm]
  rect 1.5x1.5 hole 0.9: 1(0,0)
  round 1.5 hole 0.9: 2(0,2.54) 3(2.54,0) 4(2.54,2.54) 5(5.08,0) 6(5.08,2.54)
  silkscreen extent -1.27,-1.27 6.35,3.81, body extent -1.27,-1.27 6.35,3.81, height 9.5
"TH 2.54mm Header 2x5" [mm]
  rect 1.5x1.5 hole 0.9: 1(0,0)
  round 1.5 hole 0.9: 2(0,2.54) 3(2.54,0) 4(2.54,2.54) 5(5.08,0) 6(5.08,2.54) 7(7.62,0) 8(7.62,2.54) 9(10.16,0) 10(10.16,2.54)
  silkscreen extent -1.27,-1.27 11.43,3.81, body extent -1.27,-1.27 11.43,3.81, height 9.5
"TI SOT-23-5" [mil]
  rrect50% 19x58 smd: 1(0,0) 2(37.4,0) 3(74.8,0) 4(74.8,93) 5(0,93)
  silkscreen extent -30,8 103,86, body extent -23,-12 97,106, height 57
USB4085-GF-A [mm]
  round 0.65 hole 0.4: A1(-2.848,4.025) A4(-1.998,4.025) A5(-1.148,4.025) A6(-0.298,4.025) A7(0.552,4.025) A8(1.402,4.025) A9(2.252,4.025) A12(3.102,4.025) B1(3.102,2.675) B4(2.252,2.675) B5(1.402,2.675) B6(0.552,2.675) B7(-0.298,2.675) B8(-1.148,2.675) B9(-1.998,2.675) B12(-2.848,2.675)
  oval 0.9x2.4 hole 0.6 slot 2.1 at 90 deg: P1(-4.198,3.045) P2(4.452,3.045)
  oval 0.9x1.7 hole 0.6 slot 1.4 at 90 deg: P3(4.452,-0.335) P4(-4.198,-0.335)
  silkscreen extent -4.35,-2.07 4.6,4.58, body extent -4.39,-4.56 4.64,4.61, height 3.46
"Vishay Radial 1213" [mm]
  rrect50% 4.2x5 smd: 0(0,-4.9) 0(0,4.9)
  rrect50% 6.3x2.5 smd: 1(-5.15,0) 2(5.15,0)
  silkscreen extent -6.75,-6.75 7.5,7.5, body extent -7.45,-6.45 7.45,6.45, height 14.31

## Part data
*1: "MOSFET N-CH 40V 30A PPAK SO-8", Digikey Part Number=742-SQJA88EP-T1_GE3TR-ND, Manufacturer="Vishay Siliconix", Rated Power=48W, Part Number=SQJA88EP-T1_GE3, Type=N-channel
*2: "Hot Swap Voltage Controllers Zero Iq Reverse Polarity Protection", Manufacturer="Texas Instruments", Part Number=LM74610QDGKTQ1
*3: "DC DC CONVERTER 5V 1W", Digikey Part Number=811-1433-5-ND, Input Voltage="4.5 to 5.5", Manufacturer="Murata Power Solutions Inc.", Output Current="200 mA", Output Voltage=5V, Part Number=NKE0505DC
*4 *5: library part ADS7028IRTER, "IC ADC 12BIT SAR 16WQFN", Manufacturer="Texas Instruments", Digikey Link=https://www.digikey.com.au/en/products/detail/texas-instruments/ADS7028IRTER/12696020?s=N4IgTCBcDaIIIBEDKB2ADGAHASQEoBUBRXEAXQF8g, Digikey Part Number=ADS7028IRTER, Part Number=ADS7028IRTER
*6: library part CMP-001-0002-8, "Small 8-channel 12-bit analog-to-digital converter (ADC) with SPI, GPIOs and CRC 16-WQFN -40 to 85"
BOOT1: library part "TH 2.54mm Header 2x3", Angle=0, Contact=NA, Flange=No, Part Number="TH 2.54mm Header 2x3", Pitch=2.54mm, Positions=6, Row Spacing=2.54mm
C1 C3 C4 C5 C6 C21 C31 C39 C40 C42 C44 "C65_U_PWM Outputs1" "C65_U_PWM Outputs2" "C65_U_PWM Outputs3" "C65_U_PWM Outputs4": library part GCM21BR71H104KA37L, Digikey Part Number=490-6064-1-ND, Manufacturer=muRata, Rated Voltage=50V, Temperature Rating=X7R, Tolerance=±10%, Material=MLCC, Part Number=GCM21BR71H104KA37L
C2 C7 C10 C26 C28 C36 C38 C51 C52 C53 C54 C55 C56 C57 C58 C59: library part GCM21BR71H105KA03L, Digikey Part Number=490-10675-1-ND, Manufacturer=muRata, Rated Voltage=50V, Temperature Rating=X7R, Tolerance=±10%, Material=MLCC, Part Number=GCM21BR71H105KA03L
C8 C9 C12 C13: library part GRM21A5C2E220JW01D, Digikey Part Number=490-5534-1-ND, Manufacturer=muRata, Rated Voltage=250V, Temperature Rating="C0G, NP0", Tolerance=±5%, Material=MLCC, Part Number=GRM21A5C2E220JW01D